# Altium PCB PCB_Therm.PcbDoc
Units mil, origin at the board's own origin, x right, y up, seen from the top; angles counter-clockwise.
Board outline 1750 x 3400 mil, 2 copper layers (Top Layer, Bottom Layer), stack 65.792 mil thick; 42 components, 41 nets, 185 pads, 252 vias.
Unrouted connection lines stored in the file: 20.
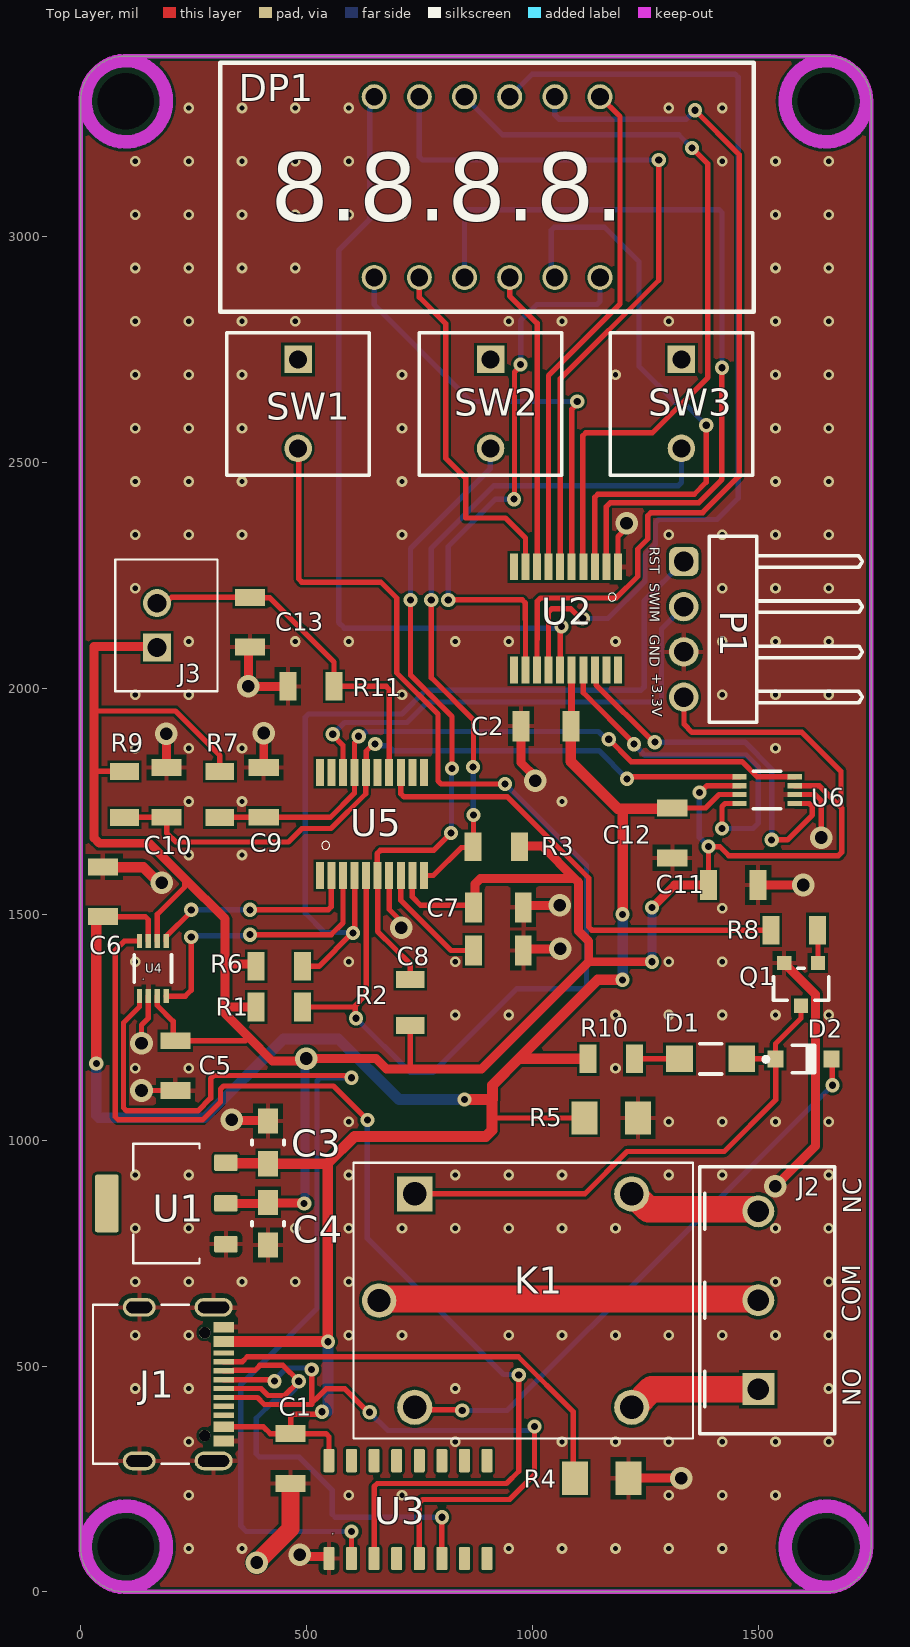
[diagram p0: Top Layer view]
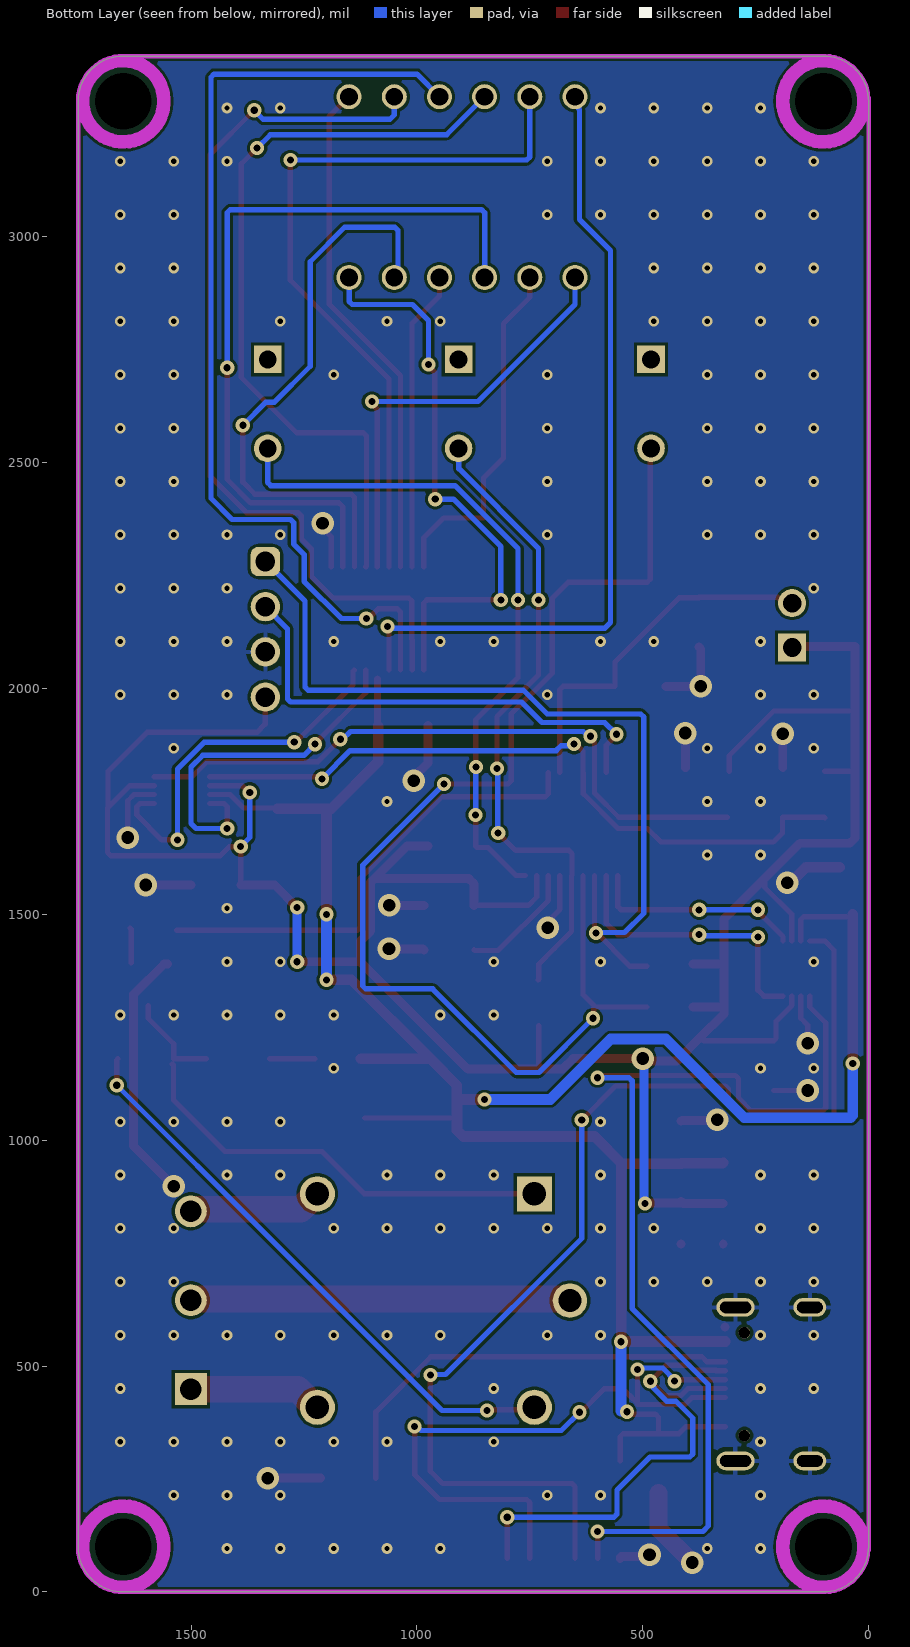
[diagram p1: Bottom Layer view, seen from below]
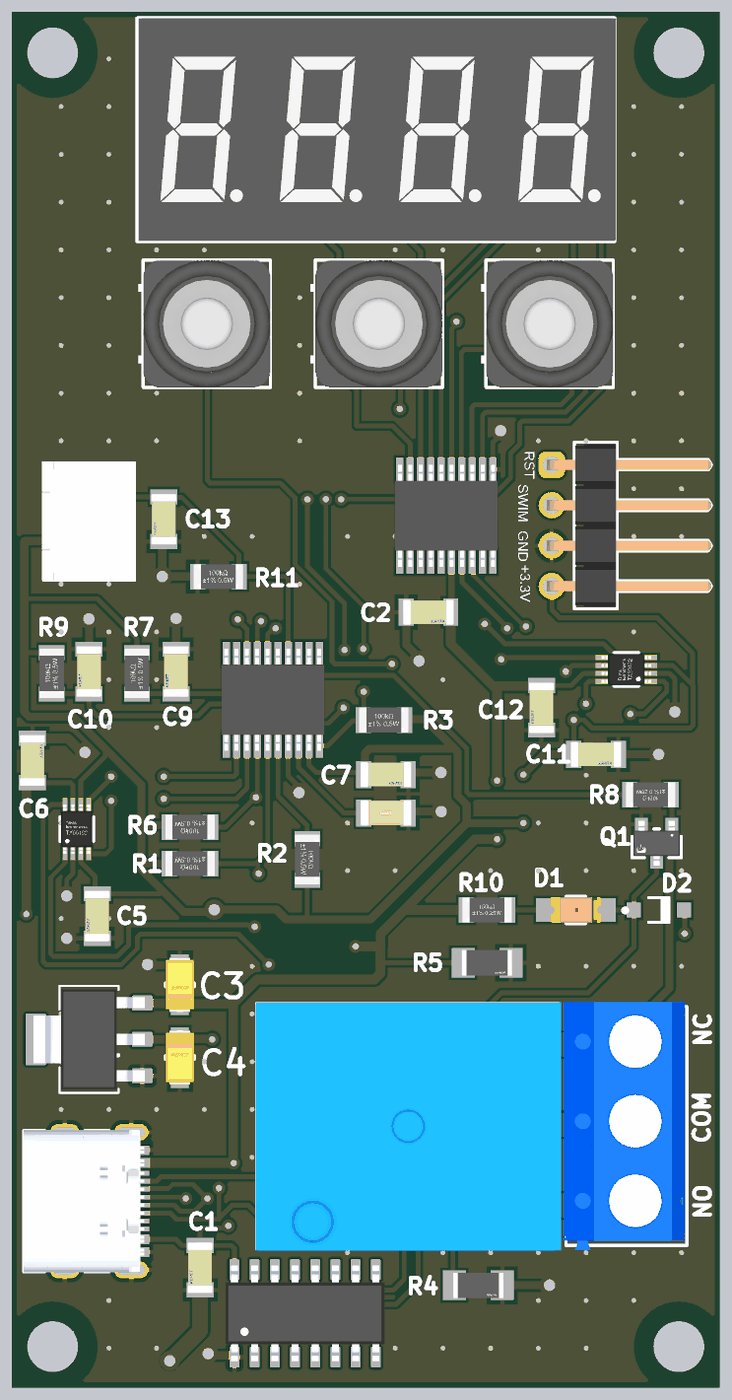
[diagram p2: 3D render of the assembled board from above, using the file's embedded part models]

## Layer stack, top to bottom
Top Solder: solder mask 0.4, Solder Resist, Dk 3.5
Top Layer: signal copper 1.4
Dielectric 1: dielectric 62.9921, FR-4, Dk 4.8
Bottom Layer: signal copper 1.4
Bottom Solder: solder mask 0.4, Solder Resist, Dk 3.5

## Board outline
0,100 0,3300 cw(c100,3300) 100,3400 99.86,3400 1650,3400 cw(c1650,3300) 1750,3300 1750,100 cw(c1650,100) 1650,0 100,0 cw(c100,100)

## Design rules (kind name [scope] priority, off if disabled: settings)
Clearance [All] p1: gap=6.3 ignorepadtopadclearanceinfootprint=FALSE
ComponentClearance [All] p1: gap=7.09 collisioncheckmode=3 verticalgap=7.09 showdistances=FALSE
DiffPairsRouting [All] p1: maxlimit=7.09 minlimit=6.69 mostfreqgap=7.09 toplayer_minwidth=15 toplayer_maxwidth=15 toplayer_prefwidth=15 bottomlayer_minwidth=15 bottomlayer_maxwidth=15 bottomlayer_prefwidth=15 maxuncoupledlength=500
HoleSize [All] p1: absolutevalues=TRUE maxlimit=139.37 minlimit=1 maxpercent=80.000 minpercent=20.000
MinimumSolderMaskSliver [All] p1: minsoldermaskwidth=6.06
PolygonConnect PolygonConnect_GND [IsVia AND NOT IsComponent] p1: connectstyle=Direct reliefconductorwidth=11.81 reliefentries=4 polygonreliefangle="90 Angle" airgapwidth=11.81
PolygonConnect PolygonConnect_1 [All] p2: connectstyle=Relief reliefconductorwidth=10 reliefentries=4 polygonreliefangle="90 Angle" airgapwidth=10
RoutingVias [All] p1: holewidth=15.75 width=31.5 viastyle="Through Hole" minholewidth=11.81 minwidth=23.62 maxholewidth=28 maxwidth=50
SilkToSilkClearance [All] p1: silktosilkclearance=6.3
SilkToSolderMaskClearance [IsPad] p1: minsilkscreentomaskgap=6.06 clearancetoexposedcopper=TRUE
SolderMaskExpansion Via_Tenting [IsVia] p1: expansion=4 istentingtop=TRUE
SolderMaskExpansion SolderMaskExpansion_1 [All] p2: expansion=1.97 istentingtop=FALSE
SupplyNets "Schematic Supply Nets_2" [InNet('+5V')] p1: voltage=0.000
SupplyNets "Schematic Supply Nets_1" [InNet('+3.3V')] p2: voltage=0.000
SupplyNets "Schematic Supply Nets" [InNet('GND')] p3: voltage=0.000
Width Width_Power [InNet('GND') or InNet('+5V') or InNet('+3.3V')] p1: maxlimit=137.8 minlimit=7.09 preferedwidth=23.62
Width Width_1 [All] p2: maxlimit=137.8 minlimit=6.3 preferedwidth=11.81
24 further rules are at their usual default settings.

## Components (designator, comment, footprint, x,y, rotation, side; value= is the part's Value field where it differs from the comment)
C1 "C1206C104K5RACAUTO" FP-C1206C-EB-MFG 465,295.28 r90 top value="0.10 μF"
C2 "C1206C104K5RACAUTO" FP-C1206C-EB-MFG 1030.2,1916.5 r180 top value="0.10 μF"
C3 "T491A106K016AT" FP-T491A106K016AT-MFG 415,995 r270 top
C4 "T491A106K016AT" FP-T491A106K016AT-MFG 415,815 r90 top
C5 "C1206C104K5RACAUTO" FP-C1206C-EB-MFG 210,1165 r90 top value="0.10 μF"
C6 "C1206C104K5RACAUTO" FP-C1206C-EB-MFG 50,1550 r270 top value="0.10 μF"
C7 "C1206C104K5RACAUTO" FP-C1206C-EB-MFG 925,1515 r180 top value="0.10 μF"
C8 "C1206C225K5RACAUTO" FP-C1206C225K5RACAUTO-MFG 925,1420 r0 top
C9 "C1206C101K5RACTU" FP-C1206C-EB-MFG 405.39,1770 r90 top value="100 pF"
C10 "C1206C101K5RACTU" FP-C1206C-EB-MFG 190,1770 r90 top value="100 pF"
C11 "C1206C104K5RACAUTO" FP-C1206C-EB-MFG 1445,1565 r180 top value="0.10 μF"
C12 "C1206C104K5RACAUTO" FP-C1206C-EB-MFG 1310,1680 r90 top value="0.10 μF"
C13 "C1206C104K5RACAUTO" FP-C1206C-EB-MFG 375.1,2146.61 r90 top value="0.10 μF"
D1 "LTST-C150KRKT" FP-LTST-C150KRKT-MFG 1395,1180 r180 top
D2 "1N4148W-7-F" DIOD-SOD123-2_V 1600.12,1180 r0 top
DP1 "Display" KL-3641G-BSG 900,3110 r0 top
J1 "USB_TYPE_C_2_0" "USB TYPE-C 16PIN" 130,460 r270 top
J2 "39543-0603" 39543-0603 1520.08,645.74 r90 top
J3 "B2B-XH-A" JST_B2B-XH-A 190,2139.76 r270 top
K1 "SRD-05VDC-SL-C" RELAY_SRD-05VDC-SL-C 980,645 r0 top
P1 "61300411021" 61300411021 1444.38,2131.06 r90 top
Q1 "AO3400A" FP-SOT23-MFG 1595,1345 r270 top
R1 "CRGP1206F10K" FP-CRGP1206-IPC_C 440,1295 r180 top value=10KΩ
R2 "CRGP1206F10K" FP-CRGP1206-IPC_C 730,1305 r270 top value=10KΩ
R3 "CRGP1206F10K" FP-CRGP1206-IPC_C 920,1650 r0 top value=10KΩ
R4 "ESR18EZPF5101" FP-ESR18-IPC_A 1153.82,251.66 r180 top
R5 "ESR18EZPF5101" FP-ESR18-IPC_A 1175,1049.3 r180 top
R6 "CRGP1206F10K" FP-CRGP1206-IPC_C 440,1385 r180 top value=10KΩ
R7 "CRGP1206F10K" FP-CRGP1206-IPC_C 308.53,1765.24 r90 top value=10KΩ
R8 "CRGCQ1206F1K0" FP-CRGCQ1206-IPC_C 1580,1465 r180 top value=1KΩ
R9 "CRGP1206F10K" FP-CRGP1206-IPC_C 97.32,1765.24 r90 top value=10KΩ
R10 "CRGCQ1206F1K0" FP-CRGCQ1206-IPC_C 1175,1180 r0 top value=1KΩ
R11 "CRGP1206F10K" FP-CRGP1206-IPC_C 510,2004.76 r0 top value=10KΩ
SW1 "EVQ-QJJ05Q" FP-EVQ-QJJ05Q-MFG 481.61,2630 r0 top
SW2 "EVQ-QJJ05Q" FP-EVQ-QJJ05Q-MFG 907.68,2630 r0 top
SW3 "EVQ-QJJ05Q" FP-EVQ-QJJ05Q-MFG 1330.2,2630 r0 top
U1 "AMS1117-3.3" SOT229P700X180-4N 190,860 r90 top
U2 "TM1637" SOP65P640X120-20N 1074.5,2155.14 r270 top
U3 "CH340C" SOIC127P600X180-16N 724.86,182.26 r90 top
U4 "TXS0102DCUR" FP-DCU0008A-MFG 160,1380 r90 top
U5 "STM8S103F3P6" SOP65P640X120-20N 645,1700 r90 top
U6 "TXS0102DCUR" FP-DCU0008A-MFG 1520,1775 r180 top

## Footprints (in the part's own frame and the unit in brackets; to place one, negate y for a bottom-side part, rotate by r counter-clockwise, add the part's x,y. Pads: shape width x height; smd on the part's side, far side on the other; paste and mask are expansions set on the pad)
39543-0603 [mm]
  rect 1.8x1.8 / inner round 1.8 / far side rect 1.8x1.8 hole 1.2: 1(-5,0.5)
  round 1.8 hole 1.2: 2(0,0.5) 3(5,0.5)
  silkscreen extent -7.5,-3.8 7.5,3.8, body extent -7.8,-3.66 7.8,3.94, height 10.5
61300411021 [mm] "Pin Header, pitch 2.54 mm, THT, Angled, single row, 4p"
  rrect50% 1.65x1.65 hole 1.1: 1(3.81,2.77)
  round 1.65 hole 1.1: 2(1.27,2.77) 3(-1.27,2.77) 4(-3.81,2.77)
  silkscreen extent -5.23,-7.27 5.23,1.35, body extent -5.08,-7.27 5.08,3.09, height 2.58
DIOD-SOD123-2_V [mm] "SOD123, 2-Leads, Body 2.7x1.55mm, Height 1.45mm"
  rect 0.9x0.95 smd: 1(-1.575,0) 2(1.575,0)
  silkscreen extent -0.64,-0.82 0.64,0.77, body extent -1.35,-0.77 1.35,0.77, height 1.45
FP-C1206C225K5RACAUTO-MFG [mm]
  rect 0.95x1.7 smd paste+0 mask+0: 1(-1.4,0) 2(1.4,0)
  body extent -2,-1 2,1, height 0.25
FP-C1206C-EB-MFG [mm]
  rect 0.95x1.7 smd paste+0 mask+0: 1(-1.4,0) 2(1.4,0)
  body extent -2,-1 2,1, height 0.25
FP-CRGCQ1206-IPC_C [mil]
  rect 37.64x63.38 smd paste+0 mask+0: 1(-51.22,0) 2(51.22,0)
  body extent -74,-37 74,37, height 10
FP-CRGP1206-IPC_C [mil]
  rect 37.64x63.38 smd paste+0 mask+0: 1(-51.22,0) 2(51.22,0)
  body extent -74,-37 74,37, height 10
FP-DCU0008A-MFG [mm]
  rect 0.8x0.3 smd paste-1000 mask+0: 1(-1.55,0.75) 2(-1.55,0.25) 3(-1.55,-0.25) 4(-1.55,-0.75) 5(1.55,-0.75) 6(1.55,-0.25) 7(1.55,0.25) 8(1.55,0.75)
  silkscreen extent -0.77,-1.05 0.77,1.05, body extent -2.05,-1.3 2.05,1.3, height 0.25
FP-ESR18-IPC_A [mil]
  rect 57.31x73.16 smd paste+0 mask+0: 1(-59.1,0) 2(59.1,0)
  body extent -107,-56 107,56, height 10
FP-EVQ-QJJ05Q-MFG [mm]
  rect 1.55x1.55 hole 1 paste-2539.97 mask+0: A(0,2.5)
  round 1.55 hole 1 paste-2539.97 mask+0: B(0,-2.5)
  silkscreen extent -4,-4 4,4, body extent -4.4,-4.1 4.1,4.1, height 0.25
FP-LTST-C150KRKT-MFG [mm]
  rect 1.5x1.5 smd paste+0 mask+0: 1(-1.75,0) 2(1.75,0)
  silkscreen extent -3.22,-0.85 0.63,0.85, body extent -2.6,-0.95 2.6,0.95, height 0.25
FP-SOT23-MFG [mm]
  rect 0.8x0.8 smd paste+0 mask+0: 1(-1.2,0.95) 2(-1.2,-0.95) 3(1.2,0)
  silkscreen extent -0.9,-1.55 0.9,1.55, body extent -1.7,-1.78 1.7,1.78, height 0.25
FP-T491A106K016AT-MFG [mm]
  rect 1.42x1.13 smd paste+0 mask+0: 1(-1.2,0) 2(1.2,0)
  silkscreen extent -0.12,-0.9 0.12,0.9, body extent -2.03,-1.02 2.03,1.02, height 0.25
JST_B2B-XH-A [mm]
  rect 1.575x1.575 / inner round 1.575 / far side rect 1.575x1.575 hole 1.05: 1(1.25,-0.525)
  round 1.575 hole 1.05: 2(-1.25,-0.525)
  silkscreen extent -3.7,-2.88 3.7,2.88, body extent -3.81,-2.96 3.69,2.94, height 7
KL-3641G-BSG [mm] "4 digit 7 segment led common anode led display"
  round 1.406 hole 1: D1(-6.35,5.08) D2(1.27,5.08) D3(3.81,5.08) D4(6.35,-5.08) DP(-1.27,-5.08) SEGA(-3.81,5.08) SEGB(6.35,5.08) SEGC(1.27,-5.08) SEGD(-3.81,-5.08) SEGE(-6.35,-5.08) SEGF(-1.27,5.08) SEGG(3.81,-5.08)
  silkscreen extent -15,-7 15,7, body extent -14.92,-6.98 15.08,7.01, height 7.6
RELAY_SRD-05VDC-SL-C [mm]
  rect 1.98x1.98 / inner round 1.98 / far side rect 1.98x1.98 hole 1.32: A1(-6.1,6)
  round 1.98 hole 1.32: A2(-6.1,-6) NC(6.1,6) NO(6.1,-6)
  round 1.935 hole 1.29: COM(-8.1,0)
  silkscreen extent -9.55,-7.75 9.55,7.75, body extent -9.6,-7.8 9.6,7.8, height 15.8
SOIC127P600X180-16N [mm]
  rrect25% 1.31x0.62 smd: 1(-2.75,4.445) 2(-2.75,3.175) 3(-2.75,1.905) 4(-2.75,0.635) 5(-2.75,-0.635) 6(-2.75,-1.905) 7(-2.75,-3.175) 8(-2.75,-4.445) 9(2.75,-4.445) 10(2.75,-3.175) 11(2.75,-1.905) 12(2.75,-0.635) 13(2.75,0.635) 14(2.75,1.905) 15(2.75,3.175) 16(2.75,4.445)
  body extent -3,-5 3,5, height 1.8
SOP65P640X120-20N [mm]
  rect 1.5x0.45 smd: 1(-2.9,2.925) 2(-2.9,2.275) 3(-2.9,1.625) 4(-2.9,0.975) 5(-2.9,0.325) 6(-2.9,-0.325) 7(-2.9,-0.975) 8(-2.9,-1.625) 9(-2.9,-2.275) 10(-2.9,-2.925) 11(2.9,-2.925) 12(2.9,-2.275) 13(2.9,-1.625) 14(2.9,-0.975) 15(2.9,-0.325) 16(2.9,0.325) 17(2.9,0.975) 18(2.9,1.625) 19(2.9,2.275) 20(2.9,2.925)
  silkscreen extent -1.42,2.38 -0.98,2.82, body extent -3.2,-3.25 3.2,3.25, height 1.73
SOT229P700X180-4N [mm]
  rrect15% 0.93x1.31 smd: 1(-2.29,-3.345) 2(0,-3.345) 3(2.29,-3.345)
  rrect15% 3.24x1.31 smd: 4(0,3.345)
  silkscreen extent -3.36,-1.86 3.36,1.86, body extent -3.15,-3.5 3.15,3.5, height 1.8
"USB TYPE-C 16PIN" [mm] "USB Type C Receptacle SMT Single Row 16Pin"
  rect 0.6x1.15 smd: A1/B12(-3.2,4.745) A4/B9(-2.4,4.745) B1/A12(3.2,4.745) B4/A9(2.4,4.745)
  rect 0.3x1.15 smd: A5(-1.25,4.745) A6(-0.25,4.745) A7(0.25,4.745) A8(1.25,4.745) B5(1.75,4.745) B6(0.75,4.745) B7(-0.75,4.745) B8(-1.75,4.745)
  oval 1.05x2.15 hole 0.65 slot 1.75 at 90 deg: SH1(-4.32,4.18) SH2(4.32,4.18)
  oval 1.05x1.85 hole 0.65 slot 1.45 at 90 deg: SH3(-4.32,0) SH4(4.32,0)
  round 0.65 hole 0.65 unplated: ""(-2.89,3.68) ""(2.89,3.68)
  silkscreen extent -4.47,-2.6 4.47,2.79, body extent -4.47,-2.6 4.47,5, height 3.26

## Part data
C1 C2 C5 C6 C7 C11 C12 C13: library part CMP-03020-005759-1, "CAP CER 0.1UF 50V X7R 1206", Capacitance="0.10 μF", Manufacturer=KEMET, Package=C1206C-EB, Temperature="-55°C to +150°C", Temperature Characteristic=X7R, Temperature Coefficient=15%, Temperature Range High=+150°C, Temperature Range Low=-55°C, Tolerance=0.1, Voltage Rating="50 V", Automotive=Yes, Automotive Grade="Grade 0", Category=Cap, ComponentLink2Description=Datasheet, ComponentLink2URL=https://content.kemet.com/datasheets/KEM_C1007_X8R_ULTRA_150C_SMD.pdf, Device Class L1="Passive Components", Device Class L2=Capacitors, Device Class L3="Ceramic Capacitors", Digikey Description="CAP CER 0.1UF 50V X7R 1206", Height=0.88mm, Ipc Land Pattern Name=CAPC320160X78, Lead Free=Yes, Manufacturer Part Number=C1206C104K5RACAUTO, Material=Ceramic, Mouser Description="Multilayer Ceramic Capacitors MLCC - SMD/SMT 0.1uF 50volts 10% X7R AUTO", Octopart=https://octopart.com/c1206c104k5racauto-kemet-12595586, RoHS=TRUE
C3 C4: library part CMP-2000-05173-2, "CAP TANT 10UF 10% 16V 1206", Capacitance=10uF, Case Code (Imperial)=1206, Case Code (Metric)=3216, Dielectric Material=Tantalum, ESR (Equivalent Series Resistance)=7R, Leakage Current=1.6uA, Max Operating Temperature=125°C, Min Operating Temperature=-55°C, Package Quantity=1, Ripple Current=104mA, Tolerance=10%, Voltage=16V, Case/Package=1206, Depth=1.6mm, Dissipation Factor=10%, Failure Rate=0.001%, Features="General Purpose", Height=1.6mm, Height - Seated (Max)=0.071inch, Lead Free="Lead Free", Lead Pitch=1.2mm, Length=3.2mm, Life (Hours)=2000Hour, Mount="Surface Mount", Number of Pins=2, Packaging="Tape and Reel", Polarity=Polar, Radiation Hardening=No, REACH SVHC="No SVHC", RoHS Compliant=Yes, Termination=SMD/SMT, Voltage Rating=16V, Voltage Rating (DC)=16V, Width=1.6mm
C8: library part CMP-03020-034660-1, "CAP CER 2.2UF 50V X7R 1206", Capacitance=2.2uF, Case Code (Imperial)=1206, Case Code (Metric)=3216, Dielectric=X7R, Dielectric Material=Ceramic, Max Operating Temperature=125°C, Min Operating Temperature=-55°C, Package Quantity=1, Ratings=AEC-Q200, Tolerance=10%, Voltage Rating=50V, Case/Package=1206, Construction=Flat, Contact Plating=Tin, Depth=1.6mm, Height=1.6mm, Length=3.2mm, Mount="Surface Mount", Packaging="Tape and Reel", Radiation Hardening=No, REACH SVHC="No SVHC", RoHS Compliant=Yes, Series=C, Termination=SMD/SMT, Thickness=0.071inch, Voltage Rating (DC)=50V, Width=0.063inch
C9 C10: library part CMP-03020-017721-1, "C1206 100 pF X7R 10.00% 50 V", Capacitance="100 pF", Manufacturer=KEMET, Package=C1206C-EB, Temperature="-55°C to +150°C", Temperature Characteristic=X7R, Temperature Coefficient=15%, Temperature Range High=+150°C, Temperature Range Low=-55°C, Tolerance=0.1, Voltage Rating="50 V", Automotive=Yes, Automotive Grade="Grade 0", Category=Cap, ComponentLink2Description=Datasheet, ComponentLink2URL=https://content.kemet.com/datasheets/KEM_C1007_X8R_ULTRA_150C_SMD.pdf, Device Class L1="Passive Components", Device Class L2=Capacitors, Device Class L3="Ceramic Capacitors", Height=0.88mm, Ipc Land Pattern Name=CAPC320160X78, Lead Free=Yes, Manufacturer Part Number=C1206C101K5RACTU, Material=Ceramic, Mouser Description="Cap Ceramic 100pF 50V X7R 10% SMD 1206 125°C Embossed Plastic T/R", Octopart=https://octopart.com/c1206c101k5ractu-kemet-67313462, RoHS=TRUE
D1: library part CMP-2000-06617-2, "LED RED CLEAR 1206 SMD", Case Code (Imperial)=1206, Case Code (Metric)=3216, Color=Red, Forward Current=30mA, Forward Voltage=2V, Lens Color=Colorless, Max Operating Temperature=85°C, Min Operating Temperature=-30°C, Package Quantity=1, Power Dissipation=62.5mW, Power Rating=75mW, Reverse Voltage=5V, Test Current=20mA, Case/Package=1206, Depth=1.6mm, Dominant Wavelength=631nm, Height=1.1mm, Illumination Color=Red, Lead Free="Lead Free", Length=3.2mm, Lens Style=Diffused, Lens Transparency=Clear, Luminous Intensity=54mcd, Mount="Surface Mount", Number of Elements=1, Number of LEDs=1, Number of Pins=2, Packaging="Tape and Reel", Radiation Hardening=No, Viewing Angle=130°, Wavelength=639nm, Width=1.6mm
D2: library part CMP-2000-04932-2, "Fast Switching Diode, 100 V, 0.15 A, -65 to 150 degC, 2-Pin?SOD123, RoHS, Tape and Reel", If - Forward Current=0.15A, Ir - Reverse Current=1uA, Manufacturer=DiodesIncorporated, Max Surge Current=2A, Maximum Operating Temperature=+150C, Minimum Operating Temperature=-65C, Operating Temperature Range=-65Cto+150C, Package / Case=SOD-123, Package Reference=SOD123-2, Peak Reverse Voltage=100V, Vf - Forward Voltage=1.25V, Brand=DiodesIncorporated, Configuration=Single, Datasheet URL=http://www.farnell.com/datasheets/1915529.pdf, Datasheet Version="Rev. 24-2, 10/2013", Factory Pack Quantity=3000, Height=1.25mm, Length=2.85mm, Manufacturer URL=http://www.diodes.com/, Mounting Style=SMD/SMT, Package URL=http://www.diodes.com/datasheets/ds18004.pdf, Packaging=Reel, Product=SwitchingDiodes, Product Category=Diodes-GeneralPurpose,Power,Switching, Recovery Time=4ns, RoHS=True, Series=1N4148, Type=SwitchingDiode, Unit Weight=0.000353oz, Width=1.7mm
DP1: library part Component_1_1, "Indicator 4 digits 0.36\" Green, common anode"
J1: library part USB_CMP-002-00072-1, "USB-C (USB TYPE-C) USB 2.0 Receptacle Connector 24 (16+8 Dummy) Position Surface Mount, Right Angle", Case/Package=None, Check_prices=https://www.snapeda.com/parts/USB4110GFA/Global+Connector+Technology/view-part/?ref=eda, Component Type=Connectors, Design Item ID=USB4110GFA, MF="Global Connector Technology", MP=USB4110GFA, Pins=16, SnapEDA_Link=https://www.snapeda.com/parts/USB4110GFA/Global+Connector+Technology/view-part/?ref=snap, Source=USB4110GFA.SchLib
J2: library part CMP-037-000000-1, "3 Position Wire to Board Terminal Block Horizontal with Board 0.197 (5.00mm) Through Hole", Package=None, Check_prices=https://www.snapeda.com/parts/395430603/Molex/view-part/?ref=eda, Component Type=Standard, Design Item ID=39543-0603, MF=Molex, MP=395430603, Pin Count=3, SnapEDA_Link=https://www.snapeda.com/parts/395430603/Molex/view-part/?ref=snap, Source=39543-0603.SchLib
J3: library part CMP-033-000000-1, Package=None, Availability=Unavailable, Component Type=Standard, Design Item ID=B2B-XH-A, MF="{'manufacturer': u'JST Sales America Inc.'}", MP=B2B-XH-A, Pin Count=2, Price=None, Source=B2B-XH-A.SchLib
K1: library part CMP-013-000000-1, "5V Trigger Relay Module For Arduino And Raspberry Pi 5V Trigger Relay Module For Arduino And Raspberry Pi", Package="NON STANDARD-5 Songle Relay", Availability="Not in stock", Check_prices=https://www.snapeda.com/parts/SRD-05VDC-SL-C/Songle+Relay/view-part/?ref=eda, Component Type=Standard, Design Item ID=SRD-05VDC-SL-C, MF="Songle Relay", MP=SRD-05VDC-SL-C, Pin Count=5, Price=None, SnapEDA_Link=https://www.snapeda.com/parts/SRD-05VDC-SL-C/Songle+Relay/view-part/?ref=snap, Source=SRD-05VDC-SL-C.SchLib